# KiCad board 5x25.kicad_pcb (continued)
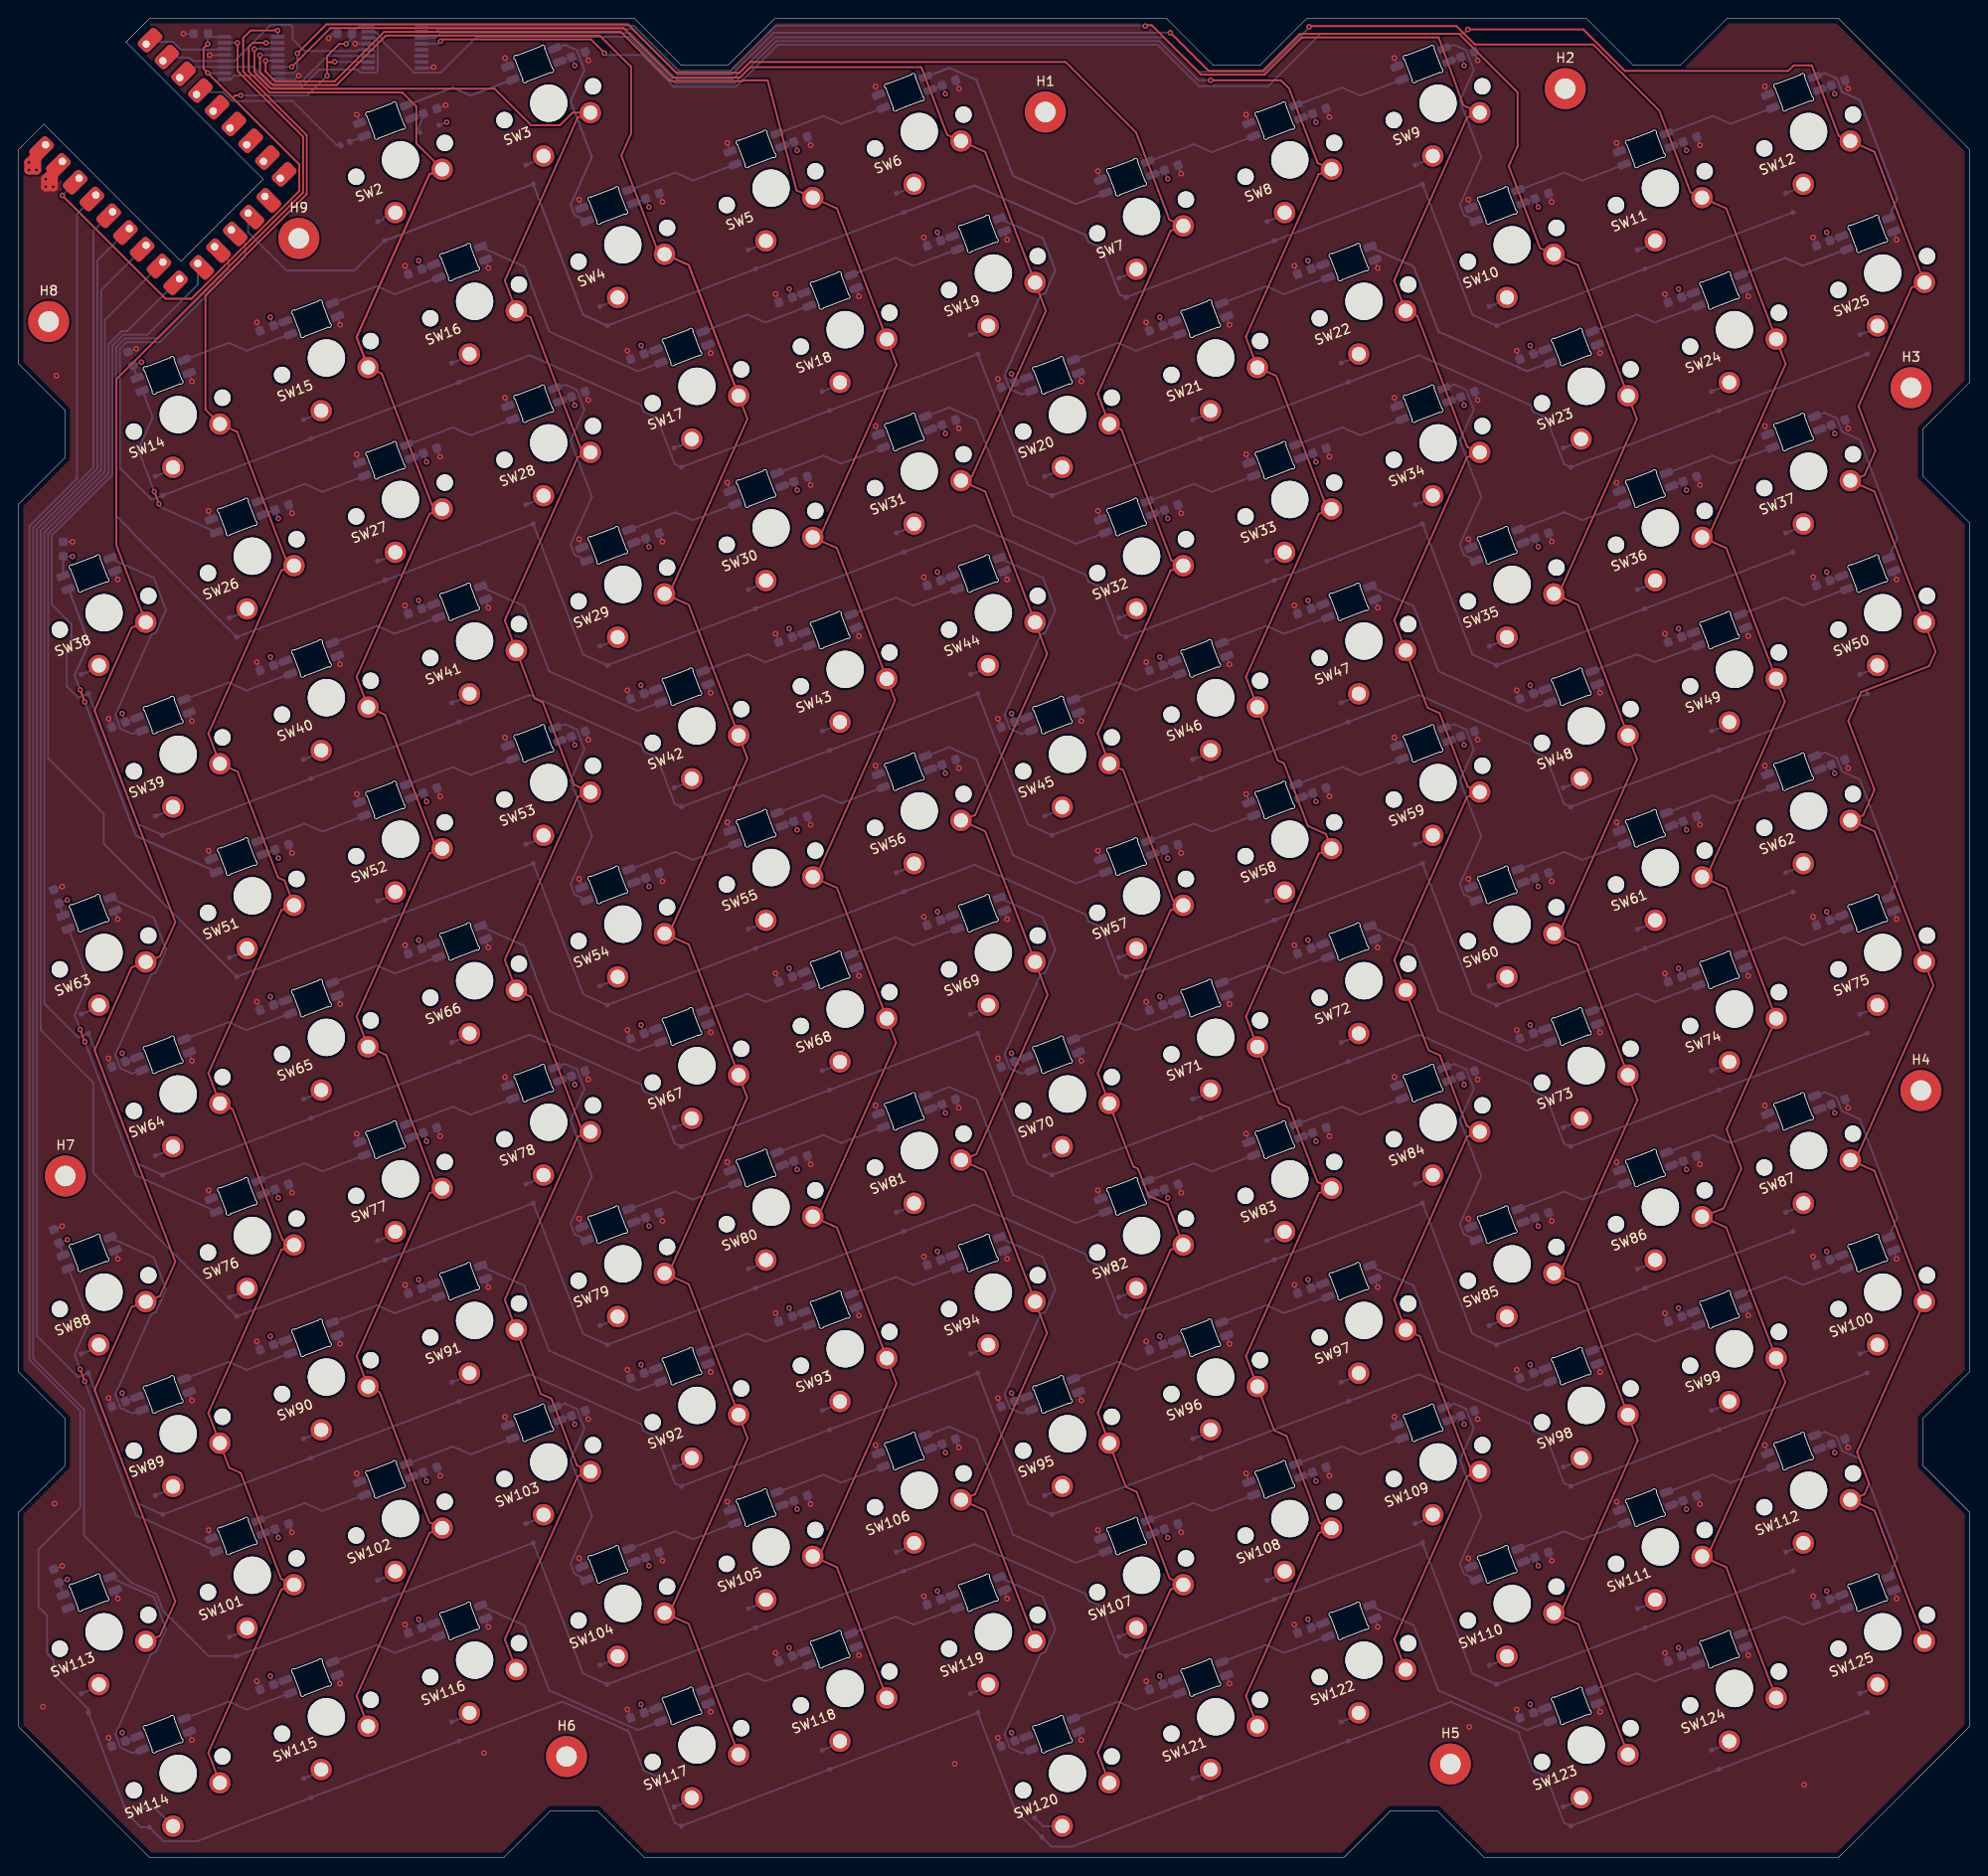
[diagram p0: board, top side]
## Placement (name value [footprint] x y rotation side) (continued)
LED63  -  [SK6803-MINI-E]  7.54 101.16 200.9 bottom
LED64  -  [SK6803-MINI-E]  15.48 85.99 200.9 bottom
LED65  -  [SK6803-MINI-E]  31.37 92.06 200.9 bottom
LED66  -  [SK6803-MINI-E]  47.25 98.12 200.9 bottom
LED67  -  [SK6803-MINI-E]  71.07 89.02 200.9 bottom
LED68  -  [SK6803-MINI-E]  86.95 95.09 200.9 bottom
LED69  -  [SK6803-MINI-E]  102.83 101.16 200.9 bottom
LED70  -  [SK6803-MINI-E]  110.77 85.99 200.9 bottom
LED71  -  [SK6803-MINI-E]  126.65 92.06 200.9 bottom
LED72  -  [SK6803-MINI-E]  142.53 98.12 200.9 bottom
LED73  -  [SK6803-MINI-E]  166.35 89.02 200.9 bottom
LED74  -  [SK6803-MINI-E]  182.23 95.09 200.9 bottom
LED75  -  [SK6803-MINI-E]  198.12 101.16 200.9 bottom
LED76  -  [SK6803-MINI-E]  23.42 70.83 20.9 bottom
LED77  -  [SK6803-MINI-E]  39.31 76.89 20.9 bottom
LED78  -  [SK6803-MINI-E]  55.19 82.96 20.9 bottom
LED79  -  [SK6803-MINI-E]  63.13 67.79 20.9 bottom
LED80  -  [SK6803-MINI-E]  79.01 73.86 20.9 bottom
LED81  -  [SK6803-MINI-E]  94.89 79.92 20.9 bottom
LED82  -  [SK6803-MINI-E]  118.71 70.83 20.9 bottom
LED83  -  [SK6803-MINI-E]  134.59 76.89 20.9 bottom
LED84  -  [SK6803-MINI-E]  150.47 82.96 20.9 bottom
LED85  -  [SK6803-MINI-E]  158.41 67.79 20.9 bottom
LED86  -  [SK6803-MINI-E]  174.29 73.86 20.9 bottom
LED87  -  [SK6803-MINI-E]  190.17 79.92 20.9 bottom
LED88  -  [SK6803-MINI-E]  7.54 64.76 200.9 bottom
LED89  -  [SK6803-MINI-E]  15.48 49.6 200.9 bottom
LED90  -  [SK6803-MINI-E]  31.37 55.66 200.9 bottom
LED91  -  [SK6803-MINI-E]  47.25 61.73 200.9 bottom
LED92  -  [SK6803-MINI-E]  71.07 52.63 200.9 bottom
LED93  -  [SK6803-MINI-E]  86.95 58.69 200.9 bottom
LED94  -  [SK6803-MINI-E]  102.83 64.76 200.9 bottom
LED95  -  [SK6803-MINI-E]  110.77 49.6 200.9 bottom
LED96  -  [SK6803-MINI-E]  126.65 55.66 200.9 bottom
LED97  -  [SK6803-MINI-E]  142.53 61.73 200.9 bottom
LED98  -  [SK6803-MINI-E]  166.35 52.63 200.9 bottom
LED99  -  [SK6803-MINI-E]  182.23 58.69 200.9 bottom
LED100  -  [SK6803-MINI-E]  198.12 64.76 200.9 bottom
LED101  -  [SK6803-MINI-E]  23.42 34.43 20.9 bottom
LED102  -  [SK6803-MINI-E]  39.31 40.5 20.9 bottom
LED103  -  [SK6803-MINI-E]  55.19 46.56 20.9 bottom
LED104  -  [SK6803-MINI-E]  63.13 31.4 20.9 bottom
LED105  -  [SK6803-MINI-E]  79.01 37.46 20.9 bottom
LED106  -  [SK6803-MINI-E]  94.89 43.53 20.9 bottom
LED107  -  [SK6803-MINI-E]  118.71 34.43 20.9 bottom
LED108  -  [SK6803-MINI-E]  134.59 40.5 20.9 bottom
LED109  -  [SK6803-MINI-E]  150.47 46.56 20.9 bottom
LED110  -  [SK6803-MINI-E]  158.41 31.4 20.9 bottom
LED111  -  [SK6803-MINI-E]  174.29 37.46 20.9 bottom
LED112  -  [SK6803-MINI-E]  190.17 43.53 20.9 bottom
LED113  -  [SK6803-MINI-E]  7.54 28.36 200.9 bottom
LED114  -  [SK6803-MINI-E]  15.48 13.2 200.9 bottom
LED115  -  [SK6803-MINI-E]  31.37 19.27 200.9 bottom
LED116  -  [SK6803-MINI-E]  47.25 25.33 200.9 bottom
LED117  -  [SK6803-MINI-E]  71.07 16.23 200.9 bottom
LED118  -  [SK6803-MINI-E]  86.95 22.3 200.9 bottom
LED119  -  [SK6803-MINI-E]  102.83 28.36 200.9 bottom
LED120  -  [SK6803-MINI-E]  110.77 13.2 200.9 bottom
LED121  -  [SK6803-MINI-E]  126.65 19.27 200.9 bottom
LED122  -  [SK6803-MINI-E]  142.53 25.33 200.9 bottom
LED123  -  [SK6803-MINI-E]  166.35 16.23 200.9 bottom
LED124  -  [SK6803-MINI-E]  182.23 22.3 200.9 bottom
LED125  -  [SK6803-MINI-E]  198.12 28.36 200.9 bottom
R1  220R  [R_0402_1005Metric]  34.97 183.62 20.9 bottom
RZ1  -  [RP2040-Zero]  17.25 165.54 45 top
SW2  MX_Switch  [SW_MX_17]  40.91 181.88 200.9 top  (not fitted)
SW3  MX_Switch  [SW_MX_17]  56.79 187.94 200.9 top  (not fitted)
SW4  MX_Switch  [SW_MX_17]  64.73 172.78 200.9 top  (not fitted)
SW5  MX_Switch  [SW_MX_17]  80.61 178.84 200.9 top  (not fitted)
SW6  MX_Switch  [SW_MX_17]  96.49 184.91 200.9 top  (not fitted)
SW7  MX_Switch  [SW_MX_17]  120.32 175.81 200.9 top  (not fitted)
SW8  MX_Switch  [SW_MX_17]  136.2 181.88 200.9 top  (not fitted)
SW9  MX_Switch  [SW_MX_17]  152.08 187.94 200.9 top  (not fitted)
SW10  MX_Switch  [SW_MX_17]  160.02 172.78 200.9 top  (not fitted)
SW11  MX_Switch  [SW_MX_17]  175.9 178.84 200.9 top  (not fitted)
SW12  MX_Switch  [SW_MX_17]  191.78 184.91 200.9 top  (not fitted)
SW14  MX_Switch  [SW_MX_17]  17.09 154.58 200.9 top  (not fitted)
SW15  MX_Switch  [SW_MX_17]  32.97 160.64 200.9 top  (not fitted)
SW16  MX_Switch  [SW_MX_17]  48.85 166.71 200.9 top  (not fitted)
SW17  MX_Switch  [SW_MX_17]  72.67 157.61 200.9 top  (not fitted)
SW18  MX_Switch  [SW_MX_17]  88.55 163.68 200.9 top  (not fitted)
SW19  MX_Switch  [SW_MX_17]  104.44 169.74 200.9 top  (not fitted)
SW20  MX_Switch  [SW_MX_17]  112.38 154.58 200.9 top  (not fitted)
SW21  MX_Switch  [SW_MX_17]  128.26 160.64 200.9 top  (not fitted)
SW22  MX_Switch  [SW_MX_17]  144.14 166.71 200.9 top  (not fitted)
SW23  MX_Switch  [SW_MX_17]  167.96 157.61 200.9 top  (not fitted)
SW24  MX_Switch  [SW_MX_17]  183.84 163.68 200.9 top  (not fitted)
SW25  MX_Switch  [SW_MX_17]  199.72 169.74 200.9 top  (not fitted)
SW26  MX_Switch  [SW_MX_17]  25.03 139.41 200.9 top  (not fitted)
SW27  MX_Switch  [SW_MX_17]  40.91 145.48 200.9 top  (not fitted)
SW28  MX_Switch  [SW_MX_17]  56.79 151.55 200.9 top  (not fitted)
SW29  MX_Switch  [SW_MX_17]  64.73 136.38 200.9 top  (not fitted)
SW30  MX_Switch  [SW_MX_17]  80.61 142.45 200.9 top  (not fitted)
SW31  MX_Switch  [SW_MX_17]  96.49 148.51 200.9 top  (not fitted)
SW32  MX_Switch  [SW_MX_17]  120.32 139.41 200.9 top  (not fitted)
SW33  MX_Switch  [SW_MX_17]  136.2 145.48 200.9 top  (not fitted)
SW34  MX_Switch  [SW_MX_17]  152.08 151.55 200.9 top  (not fitted)
SW35  MX_Switch  [SW_MX_17]  160.02 136.38 200.9 top  (not fitted)
SW36  MX_Switch  [SW_MX_17]  175.9 142.45 200.9 top  (not fitted)
SW37  MX_Switch  [SW_MX_17]  191.78 148.51 200.9 top  (not fitted)
SW38  MX_Switch  [SW_MX_17]  9.15 133.35 200.9 top  (not fitted)
SW39  MX_Switch  [SW_MX_17]  17.09 118.18 200.9 top  (not fitted)
SW40  MX_Switch  [SW_MX_17]  32.97 124.25 200.9 top  (not fitted)
SW41  MX_Switch  [SW_MX_17]  48.85 130.31 200.9 top  (not fitted)
SW42  MX_Switch  [SW_MX_17]  72.67 121.22 200.9 top  (not fitted)
SW43  MX_Switch  [SW_MX_17]  88.55 127.28 200.9 top  (not fitted)
SW44  MX_Switch  [SW_MX_17]  104.44 133.35 200.9 top  (not fitted)
SW45  MX_Switch  [SW_MX_17]  112.38 118.18 200.9 top  (not fitted)
SW46  MX_Switch  [SW_MX_17]  128.26 124.25 200.9 top  (not fitted)
SW47  MX_Switch  [SW_MX_17]  144.14 130.31 200.9 top  (not fitted)
SW48  MX_Switch  [SW_MX_17]  167.96 121.22 200.9 top  (not fitted)
SW49  MX_Switch  [SW_MX_17]  183.84 127.28 200.9 top  (not fitted)
SW50  MX_Switch  [SW_MX_17]  199.72 133.35 200.9 top  (not fitted)
SW51  MX_Switch  [SW_MX_17]  25.03 103.02 200.9 top  (not fitted)
SW52  MX_Switch  [SW_MX_17]  40.91 109.08 200.9 top  (not fitted)
SW53  MX_Switch  [SW_MX_17]  56.79 115.15 200.9 top  (not fitted)
SW54  MX_Switch  [SW_MX_17]  64.73 99.99 200.9 top  (not fitted)
SW55  MX_Switch  [SW_MX_17]  80.61 106.05 200.9 top  (not fitted)
SW56  MX_Switch  [SW_MX_17]  96.49 112.12 200.9 top  (not fitted)
SW57  MX_Switch  [SW_MX_17]  120.32 103.02 200.9 top  (not fitted)
SW58  MX_Switch  [SW_MX_17]  136.2 109.08 200.9 top  (not fitted)
SW59  MX_Switch  [SW_MX_17]  152.08 115.15 200.9 top  (not fitted)
SW60  MX_Switch  [SW_MX_17]  160.02 99.99 200.9 top  (not fitted)
SW61  MX_Switch  [SW_MX_17]  175.9 106.05 200.9 top  (not fitted)
SW62  MX_Switch  [SW_MX_17]  191.78 112.12 200.9 top  (not fitted)
SW63  MX_Switch  [SW_MX_17]  9.15 96.95 200.9 top  (not fitted)
SW64  MX_Switch  [SW_MX_17]  17.09 81.79 200.9 top  (not fitted)
SW65  MX_Switch  [SW_MX_17]  32.97 87.85 200.9 top  (not fitted)
SW66  MX_Switch  [SW_MX_17]  48.85 93.92 200.9 top  (not fitted)
SW67  MX_Switch  [SW_MX_17]  72.67 84.82 200.9 top  (not fitted)
SW68  MX_Switch  [SW_MX_17]  88.55 90.89 200.9 top  (not fitted)
SW69  MX_Switch  [SW_MX_17]  104.44 96.95 200.9 top  (not fitted)
SW70  MX_Switch  [SW_MX_17]  112.38 81.79 200.9 top  (not fitted)
SW71  MX_Switch  [SW_MX_17]  128.26 87.85 200.9 top  (not fitted)
SW72  MX_Switch  [SW_MX_17]  144.14 93.92 200.9 top  (not fitted)
SW73  MX_Switch  [SW_MX_17]  167.96 84.82 200.9 top  (not fitted)
SW74  MX_Switch  [SW_MX_17]  183.84 90.89 200.9 top  (not fitted)
SW75  MX_Switch  [SW_MX_17]  199.72 96.95 200.9 top  (not fitted)
SW76  MX_Switch  [SW_MX_17]  25.03 66.62 200.9 top  (not fitted)
SW77  MX_Switch  [SW_MX_17]  40.91 72.69 200.9 top  (not fitted)
SW78  MX_Switch  [SW_MX_17]  56.79 78.75 200.9 top  (not fitted)
SW79  MX_Switch  [SW_MX_17]  64.73 63.59 200.9 top  (not fitted)
SW80  MX_Switch  [SW_MX_17]  80.61 69.66 200.9 top  (not fitted)
SW81  MX_Switch  [SW_MX_17]  96.49 75.72 200.9 top  (not fitted)
SW82  MX_Switch  [SW_MX_17]  120.32 66.62 200.9 top  (not fitted)
SW83  MX_Switch  [SW_MX_17]  136.2 72.69 200.9 top  (not fitted)
SW84  MX_Switch  [SW_MX_17]  152.08 78.75 200.9 top  (not fitted)
SW85  MX_Switch  [SW_MX_17]  160.02 63.59 200.9 top  (not fitted)
SW86  MX_Switch  [SW_MX_17]  175.9 69.66 200.9 top  (not fitted)
SW87  MX_Switch  [SW_MX_17]  191.78 75.72 200.9 top  (not fitted)
SW88  MX_Switch  [SW_MX_17]  9.15 60.56 200.9 top  (not fitted)
SW89  MX_Switch  [SW_MX_17]  17.09 45.39 200.9 top  (not fitted)
SW90  MX_Switch  [SW_MX_17]  32.97 51.46 200.9 top  (not fitted)
SW91  MX_Switch  [SW_MX_17]  48.85 57.52 200.9 top  (not fitted)
SW92  MX_Switch  [SW_MX_17]  72.67 48.42 200.9 top  (not fitted)
SW93  MX_Switch  [SW_MX_17]  88.55 54.49 200.9 top  (not fitted)
SW94  MX_Switch  [SW_MX_17]  104.44 60.56 200.9 top  (not fitted)
SW95  MX_Switch  [SW_MX_17]  112.38 45.39 200.9 top  (not fitted)
SW96  MX_Switch  [SW_MX_17]  128.26 51.46 200.9 top  (not fitted)
SW97  MX_Switch  [SW_MX_17]  144.14 57.52 200.9 top  (not fitted)
SW98  MX_Switch  [SW_MX_17]  167.96 48.42 200.9 top  (not fitted)
SW99  MX_Switch  [SW_MX_17]  183.84 54.49 200.9 top  (not fitted)
SW100  MX_Switch  [SW_MX_17]  199.72 60.56 200.9 top  (not fitted)
SW101  MX_Switch  [SW_MX_17]  25.03 30.23 200.9 top  (not fitted)
SW102  MX_Switch  [SW_MX_17]  40.91 36.29 200.9 top  (not fitted)
SW103  MX_Switch  [SW_MX_17]  56.79 42.36 200.9 top  (not fitted)
SW104  MX_Switch  [SW_MX_17]  64.73 27.19 200.9 top  (not fitted)
SW105  MX_Switch  [SW_MX_17]  80.61 33.26 200.9 top  (not fitted)
SW106  MX_Switch  [SW_MX_17]  96.49 39.33 200.9 top  (not fitted)
SW107  MX_Switch  [SW_MX_17]  120.32 30.23 200.9 top  (not fitted)
SW108  MX_Switch  [SW_MX_17]  136.2 36.29 200.9 top  (not fitted)
SW109  MX_Switch  [SW_MX_17]  152.08 42.36 200.9 top  (not fitted)
SW110  MX_Switch  [SW_MX_17]  160.02 27.19 200.9 top  (not fitted)
SW111  MX_Switch  [SW_MX_17]  175.9 33.26 200.9 top  (not fitted)
SW112  MX_Switch  [SW_MX_17]  191.78 39.33 200.9 top  (not fitted)
SW113  MX_Switch  [SW_MX_17]  9.15 24.16 200.9 top  (not fitted)
SW114  MX_Switch  [SW_MX_17]  17.09 9 200.9 top  (not fitted)
SW115  MX_Switch  [SW_MX_17]  32.97 15.06 200.9 top  (not fitted)
SW116  MX_Switch  [SW_MX_17]  48.85 21.13 200.9 top  (not fitted)
SW117  MX_Switch  [SW_MX_17]  72.67 12.03 200.9 top  (not fitted)
SW118  MX_Switch  [SW_MX_17]  88.55 18.09 200.9 top  (not fitted)
SW119  MX_Switch  [SW_MX_17]  104.44 24.16 200.9 top  (not fitted)
SW120  MX_Switch  [SW_MX_17]  112.38 9 200.9 top  (not fitted)
SW121  MX_Switch  [SW_MX_17]  128.26 15.06 200.9 top  (not fitted)
SW122  MX_Switch  [SW_MX_17]  144.14 21.13 200.9 top  (not fitted)
SW123  MX_Switch  [SW_MX_17]  167.96 12.03 200.9 top  (not fitted)
SW124  MX_Switch  [SW_MX_17]  183.84 18.09 200.9 top  (not fitted)
SW125  MX_Switch  [SW_MX_17]  199.72 24.16 200.9 top  (not fitted)
U1  74HC595  [TSSOP-16]  24.9 192.79 180 bottom
U2  74HC595  [TSSOP-16]  40.3 193.99 180 bottom

## Library data of the parts
C2-C12 C14-C125 C900 C901 = -: Description: Unpolarized capacitor, small; LSC: C14663; ki_fp_filters: C_*
D2-D12 D14-D125 D900 = -: Description: Small diode; Sim.Device: D; Sim.Pins: 1=K 2=A; ki_fp_filters: TO-???* *_Diode_* *SingleDiode* D_*
H1-H9 = -: Description: Mounting Hole without connection; ki_fp_filters: MountingHole*
LED2-LED12 LED14-LED125 = -: Description: Reverse mount adressable LED (WS2812 protocol)
R1 = -: Description: Resistor; LSCS: C25091; ki_fp_filters: R_*
SW2-SW12 SW14-SW125 = -: Description: Push button switch, generic, two pins
U1 U2 = -: Datasheet: http://www.ti.com/lit/ds/symlink/sn74hc595.pdf; Description: 8-bit serial in/out Shift Register 3-State Outputs; ki_fp_filters: DIP*W7.62mm* SOIC*3.9x9.9mm*P1.27mm* TSSOP*4.4x5mm*P0.65mm* SOIC*5.3x10.2mm*P1.27mm* SOIC*7.5x10.3mm*P1.27mm*

## Footprints (pads in the part's own frame, mm; a bottom-side part is the same pattern mirrored in y, then rotated)
C_0603_1608Metric
  rrect 0.9x0.95 smd: 1(-0.775,0) 2(0.775,0)
D_SOD-323F
  rrect 0.5x0.5 smd: 1(-1.1,0) 2(1.1,0)
MountingHole_2.2mm_M2_Pad
  round 4.4 hole 2.2: 1(0,0)
R_0402_1005Metric
  rrect 0.54x0.64 smd: 1(-0.51,0) 2(0.51,0)
RP2040-Zero
  rrect 2.6x1.6 hole 0.8: 1(17.78,22.86) 2(17.78,20.32) 3(17.78,17.78) 4(17.78,15.24) 5(17.78,12.7) 6(17.78,10.16) 7(17.78,7.62) 8(17.78,5.08) 9(17.78,2.54) 15(2.54,2.54) 16(2.54,5.08) 17(2.54,7.62) 18(2.54,10.16) 19(2.54,12.7) 20(2.54,15.24) 21(2.54,17.78) 22(2.54,20.32) 23(2.54,22.86)
  rrect 1.6x2.6 hole 0.8: 10(15.24,2.33)
  rrect 1.575x2.6 hole 0.8: 11(12.7,2.33) 12(10.16,2.33) 13(7.62,2.33) 14(5.08,2.33)
SK6803-MINI-E
  rrect 1.4x0.82 smd: 1(2.7,0.75) 2(2.7,-0.75) 3(-2.7,0.75) 4(-2.7,-0.75)
SW_MX_17
  round 1.75 hole 1.75 unplated: (-5.08,0) (5.08,0)
  round 3.988 hole 3.988 unplated: (0,0)
  round 2.3 hole 1.524: 1(-3.81,2.54) 2(2.54,5.08)
TSSOP-16
  rrect 1.475x0.4 smd: 1(-2.862,2.275) 2(-2.862,1.625) 3(-2.862,0.975) 4(-2.862,0.325) 5(-2.862,-0.325) 6(-2.862,-0.975) 7(-2.862,-1.625) 8(-2.862,-2.275) 9(2.862,-2.275) 10(2.862,-1.625) 11(2.862,-0.975) 12(2.862,-0.325) 13(2.862,0.325) 14(2.862,0.975) 15(2.862,1.625) 16(2.862,2.275)

## Nets
3V3: C900.2 C901.2 RZ1.21 U1.10 U1.16 U2.10 U2.16
5V: C3.2 C4.2 C5.2 C6.2 C7.2 C8.2 C9.2 C10.2 C11.2 C12.2 C14.2 C15.2 C16.2 C17.2 C18.2 C19.2 C20.2 C21.2 C22.2 C23.2 C24.2 C25.2 C26.2 C27.2 C28.2 C29.2 C30.2 C31.2 C32.2 C33.2 C34.2 C35.2 C36.2 C37.2 C38.2 C39.2 C40.2 C41.2 C42.2 C43.2 C44.2 C45.2 C46.2 C47.2 C48.2 C49.2 C50.2 C51.2 C52.2 C53.2 C54.2 C55.2 C56.2 C57.2 C58.2 C59.2 C60.2 C61.2 C62.2 C63.2 C64.2 C65.2 C66.2 C67.2 C68.2 C69.2 C70.2 C71.2 C72.2 C73.2 C74.2 C75.2 C76.2 C77.2 C78.2 C79.2 C80.2 C81.2 C82.2 C83.2 C84.2 C85.2 C86.2 C87.2 C88.2 C89.2 C90.2 C91.2 C92.2 C93.2 C94.2 C95.2 C96.2 C97.2 C98.2 C99.2 C100.2 C101.2 C102.2 C103.2 C104.2 C105.2 C106.2 C107.2 C108.2 C109.2 C110.2 C111.2 C112.2 C113.2 C114.2 C115.2 C116.2 C117.2 C118.2 C119.2 C120.2 C121.2 C122.2 C123.2 C124.2 C125.2 D900.2 LED3.1 LED4.1 LED5.1 LED6.1 LED7.1 LED8.1 LED9.1 LED10.1 LED11.1 LED12.1 LED14.1 LED15.1 LED16.1 LED17.1 LED18.1 LED19.1 LED20.1 LED21.1 LED22.1 LED23.1 LED24.1 LED25.1 LED26.1 LED27.1 LED28.1 LED29.1 LED30.1 LED31.1 LED32.1 LED33.1 LED34.1 LED35.1 LED36.1 LED37.1 LED38.1 LED39.1 LED40.1 LED41.1 LED42.1 LED43.1 LED44.1 LED45.1 LED46.1 LED47.1 LED48.1 LED49.1 LED50.1 LED51.1 LED52.1 LED53.1 LED54.1 LED55.1 LED56.1 LED57.1 LED58.1 LED59.1 LED60.1 LED61.1 LED62.1 LED63.1 LED64.1 LED65.1 LED66.1 LED67.1 LED68.1 LED69.1 LED70.1 LED71.1 LED72.1 LED73.1 LED74.1 LED75.1 LED76.1 LED77.1 LED78.1 LED79.1 LED80.1 LED81.1 LED82.1 LED83.1 LED84.1 LED85.1 LED86.1 LED87.1 LED88.1 LED89.1 LED90.1 LED91.1 LED92.1 LED93.1 LED94.1 LED95.1 LED96.1 LED97.1 LED98.1 LED99.1 LED100.1 LED101.1 LED102.1 LED103.1 LED104.1 LED105.1 LED106.1 LED107.1 LED108.1 LED109.1 LED110.1 LED111.1 LED112.1 LED113.1 LED114.1 LED115.1 LED116.1 LED117.1 LED118.1 LED119.1 LED120.1 LED121.1 LED122.1 LED123.1 LED124.1 LED125.1 RZ1.23
GND: C2.2 C3.1 C4.1 C5.1 C6.1 C7.1 C8.1 C9.1 C10.1 C11.1 C12.1 C14.1 C15.1 C16.1 C17.1 C18.1 C19.1 C20.1 C21.1 C22.1 C23.1 C24.1 C25.1 C26.1 C27.1 C28.1 C29.1 C30.1 C31.1 C32.1 C33.1 C34.1 C35.1 C36.1 C37.1 C38.1 C39.1 C40.1 C41.1 C42.1 C43.1 C44.1 C45.1 C46.1 C47.1 C48.1 C49.1 C50.1 C51.1 C52.1 C53.1 C54.1 C55.1 C56.1 C57.1 C58.1 C59.1 C60.1 C61.1 C62.1 C63.1 C64.1 C65.1 C66.1 C67.1 C68.1 C69.1 C70.1 C71.1 C72.1 C73.1 C74.1 C75.1 C76.1 C77.1 C78.1 C79.1 C80.1 C81.1 C82.1 C83.1 C84.1 C85.1 C86.1 C87.1 C88.1 C89.1 C90.1 C91.1 C92.1 C93.1 C94.1 C95.1 C96.1 C97.1 C98.1 C99.1 C100.1 C101.1 C102.1 C103.1 C104.1 C105.1 C106.1 C107.1 C108.1 C109.1 C110.1 C111.1 C112.1 C113.1 C114.1 C115.1 C116.1 C117.1 C118.1 C119.1 C120.1 C121.1 C122.1 C123.1 C124.1 C125.1 C900.1 C901.1 LED2.4 LED3.4 LED4.4 LED5.4 LED6.4 LED7.4 LED8.4 LED9.4 LED10.4 LED11.4 LED12.4 LED14.4 LED15.4 LED16.4 LED17.4 LED18.4 LED19.4 LED20.4 LED21.4 LED22.4 LED23.4 LED24.4 LED25.4 LED26.4 LED27.4 LED28.4 LED29.4 LED30.4 LED31.4 LED32.4 LED33.4 LED34.4 LED35.4 LED36.4 LED37.4 LED38.4 LED39.4 LED40.4 LED41.4 LED42.4 LED43.4 LED44.4 LED45.4 LED46.4 LED47.4 LED48.4 LED49.4 LED50.4 LED51.4 LED52.4 LED53.4 LED54.4 LED55.4 LED56.4 LED57.4 LED58.4 LED59.4 LED60.4 LED61.4 LED62.4 LED63.4 LED64.4 LED65.4 LED66.4 LED67.4 LED68.4 LED69.4 LED70.4 LED71.4 LED72.4 LED73.4 LED74.4 LED75.4 LED76.4 LED77.4 LED78.4 LED79.4 LED80.4 LED81.4 LED82.4 LED83.4 LED84.4 LED85.4 LED86.4 LED87.4 LED88.4 LED89.4 LED90.4 LED91.4 LED92.4 LED93.4 LED94.4 LED95.4 LED96.4 LED97.4 LED98.4 LED99.4 LED100.4 LED101.4 LED102.4 LED103.4 LED104.4 LED105.4 LED106.4 LED107.4 LED108.4 LED109.4 LED110.4 LED111.4 LED112.4 LED113.4 LED114.4 LED115.4 LED116.4 LED117.4 LED118.4 LED119.4 LED120.4 LED121.4 LED122.4 LED123.4 LED124.4 LED125.4 RZ1.22 U1.8 U1.13 U2.8 U2.13
CLOCK: RZ1.3 U1.11 U2.11
Col 0: SW38.1 SW63.1 SW88.1 SW113.1 U1.15
Col 1: SW14.1 SW26.1 SW39.1 SW51.1 SW64.1 SW76.1 SW89.1 SW101.1 SW114.1 U1.1
Col 2: SW2.1 SW15.1 SW27.1 SW40.1 SW52.1 SW65.1 SW77.1 SW90.1 SW102.1 SW115.1 U1.2
Col 3: SW3.1 SW16.1 SW28.1 SW41.1 SW53.1 SW66.1 SW78.1 SW91.1 SW103.1 SW116.1 U1.3
Col 4: SW4.1 SW17.1 SW29.1 SW42.1 SW54.1 SW67.1 SW79.1 SW92.1 SW104.1 SW117.1 U1.4
Col 5: SW5.1 SW18.1 SW30.1 SW43.1 SW55.1 SW68.1 SW80.1 SW93.1 SW105.1 SW118.1 U1.5
Col 6: SW6.1 SW19.1 SW31.1 SW44.1 SW56.1 SW69.1 SW81.1 SW94.1 SW106.1 SW119.1 U1.6
Col 7: SW7.1 SW20.1 SW32.1 SW45.1 SW57.1 SW70.1 SW82.1 SW95.1 SW107.1 SW120.1 U1.7
Col 8: SW8.1 SW21.1 SW33.1 SW46.1 SW58.1 SW71.1 SW83.1 SW96.1 SW108.1 SW121.1 U2.15
Col 9: SW9.1 SW22.1 SW34.1 SW47.1 SW59.1 SW72.1 SW84.1 SW97.1 SW109.1 SW122.1 U2.1
Col 10: SW10.1 SW23.1 SW35.1 SW48.1 SW60.1 SW73.1 SW85.1 SW98.1 SW110.1 SW123.1 U2.2
Col 11: SW11.1 SW24.1 SW36.1 SW49.1 SW61.1 SW74.1 SW86.1 SW99.1 SW111.1 SW124.1 U2.3
Col 12: SW12.1 SW25.1 SW37.1 SW50.1 SW62.1 SW75.1 SW87.1 SW100.1 SW112.1 SW125.1 U2.4
DATA: RZ1.1 U1.14
LATCH: RZ1.2 U1.12 U2.12
LED: R1.1 RZ1.4
Row 0: D2.1 D3.1 D4.1 D5.1 D6.1 D7.1 D8.1 D9.1 D10.1 D11.1 D12.1 RZ1.11
Row 1: D14.1 D15.1 D16.1 D17.1 D18.1 D19.1 D20.1 D21.1 D22.1 D23.1 D24.1 D25.1 RZ1.12
Row 2: D26.1 D27.1 D28.1 D29.1 D30.1 D31.1 D32.1 D33.1 D34.1 D35.1 D36.1 D37.1 RZ1.13
Row 3: D38.1 D39.1 D40.1 D41.1 D42.1 D43.1 D44.1 D45.1 D46.1 D47.1 D48.1 D49.1 D50.1 RZ1.14
Row 4: D51.1 D52.1 D53.1 D54.1 D55.1 D56.1 D57.1 D58.1 D59.1 D60.1 D61.1 D62.1 RZ1.15
Row 5: D63.1 D64.1 D65.1 D66.1 D67.1 D68.1 D69.1 D70.1 D71.1 D72.1 D73.1 D74.1 D75.1 RZ1.16
Row 6: D76.1 D77.1 D78.1 D79.1 D80.1 D81.1 D82.1 D83.1 D84.1 D85.1 D86.1 D87.1 RZ1.17
Row 7: D88.1 D89.1 D90.1 D91.1 D92.1 D93.1 D94.1 D95.1 D96.1 D97.1 D98.1 D99.1 D100.1 RZ1.18
Row 8: D101.1 D102.1 D103.1 D104.1 D105.1 D106.1 D107.1 D108.1 D109.1 D110.1 D111.1 D112.1 RZ1.19
Row 9: D113.1 D114.1 D115.1 D116.1 D117.1 D118.1 D119.1 D120.1 D121.1 D122.1 D123.1 D124.1 D125.1 RZ1.20
Net-(D2-A): D2.2 SW2.2
Net-(D3-A): D3.2 SW3.2
Net-(D4-A): D4.2 SW4.2
Net-(D5-A): D5.2 SW5.2
Net-(D6-A): D6.2 SW6.2
Net-(D7-A): D7.2 SW7.2
Net-(D8-A): D8.2 SW8.2
Net-(D9-A): D9.2 SW9.2
Net-(D10-A): D10.2 SW10.2
Net-(D11-A): D11.2 SW11.2
Net-(D12-A): D12.2 SW12.2
Net-(D14-A): D14.2 SW14.2
Net-(D15-A): D15.2 SW15.2
Net-(D16-A): D16.2 SW16.2
Net-(D17-A): D17.2 SW17.2
Net-(D18-A): D18.2 SW18.2
Net-(D19-A): D19.2 SW19.2
Net-(D20-A): D20.2 SW20.2
Net-(D21-A): D21.2 SW21.2
Net-(D22-A): D22.2 SW22.2
Net-(D23-A): D23.2 SW23.2
Net-(D24-A): D24.2 SW24.2
Net-(D25-A): D25.2 SW25.2
Net-(D26-A): D26.2 SW26.2
Net-(D27-A): D27.2 SW27.2
Net-(D28-A): D28.2 SW28.2
Net-(D29-A): D29.2 SW29.2
Net-(D30-A): D30.2 SW30.2
Net-(D31-A): D31.2 SW31.2
Net-(D32-A): D32.2 SW32.2
Net-(D33-A): D33.2 SW33.2
Net-(D34-A): D34.2 SW34.2
Net-(D35-A): D35.2 SW35.2
Net-(D36-A): D36.2 SW36.2
Net-(D37-A): D37.2 SW37.2
Net-(D38-A): D38.2 SW38.2
Net-(D39-A): D39.2 SW39.2
Net-(D40-A): D40.2 SW40.2
Net-(D41-A): D41.2 SW41.2
Net-(D42-A): D42.2 SW42.2
Net-(D43-A): D43.2 SW43.2
Net-(D44-A): D44.2 SW44.2
Net-(D45-A): D45.2 SW45.2
Net-(D46-A): D46.2 SW46.2
Net-(D47-A): D47.2 SW47.2
Net-(D48-A): D48.2 SW48.2
Net-(D49-A): D49.2 SW49.2
Net-(D50-A): D50.2 SW50.2
Net-(D51-A): D51.2 SW51.2
Net-(D52-A): D52.2 SW52.2
Net-(D53-A): D53.2 SW53.2
Net-(D54-A): D54.2 SW54.2
Net-(D55-A): D55.2 SW55.2
Net-(D56-A): D56.2 SW56.2
Net-(D57-A): D57.2 SW57.2
Net-(D58-A): D58.2 SW58.2
Net-(D59-A): D59.2 SW59.2
Net-(D60-A): D60.2 SW60.2
Net-(D61-A): D61.2 SW61.2
Net-(D62-A): D62.2 SW62.2
Net-(D63-A): D63.2 SW63.2
Net-(D64-A): D64.2 SW64.2
Net-(D65-A): D65.2 SW65.2
Net-(D66-A): D66.2 SW66.2
Net-(D67-A): D67.2 SW67.2
Net-(D68-A): D68.2 SW68.2
Net-(D69-A): D69.2 SW69.2
Net-(D70-A): D70.2 SW70.2
Net-(D71-A): D71.2 SW71.2
Net-(D72-A): D72.2 SW72.2
Net-(D73-A): D73.2 SW73.2
Net-(D74-A): D74.2 SW74.2
Net-(D75-A): D75.2 SW75.2
Net-(D76-A): D76.2 SW76.2
Net-(D77-A): D77.2 SW77.2
Net-(D78-A): D78.2 SW78.2
Net-(D79-A): D79.2 SW79.2
Net-(D80-A): D80.2 SW80.2
Net-(D81-A): D81.2 SW81.2
Net-(D82-A): D82.2 SW82.2
Net-(D83-A): D83.2 SW83.2
Net-(D84-A): D84.2 SW84.2
Net-(D85-A): D85.2 SW85.2
Net-(D86-A): D86.2 SW86.2
Net-(D87-A): D87.2 SW87.2
Net-(D88-A): D88.2 SW88.2
Net-(D89-A): D89.2 SW89.2
Net-(D90-A): D90.2 SW90.2
Net-(D91-A): D91.2 SW91.2
Net-(D92-A): D92.2 SW92.2
Net-(D93-A): D93.2 SW93.2
Net-(D94-A): D94.2 SW94.2
Net-(D95-A): D95.2 SW95.2
Net-(D96-A): D96.2 SW96.2
Net-(D97-A): D97.2 SW97.2
Net-(D98-A): D98.2 SW98.2
Net-(D99-A): D99.2 SW99.2
Net-(D100-A): D100.2 SW100.2
Net-(D101-A): D101.2 SW101.2
Net-(D102-A): D102.2 SW102.2
Net-(D103-A): D103.2 SW103.2
Net-(D104-A): D104.2 SW104.2
Net-(D105-A): D105.2 SW105.2
Net-(D106-A): D106.2 SW106.2
Net-(D107-A): D107.2 SW107.2
Net-(D108-A): D108.2 SW108.2
Net-(D109-A): D109.2 SW109.2
Net-(D110-A): D110.2 SW110.2
Net-(D111-A): D111.2 SW111.2
Net-(D112-A): D112.2 SW112.2
Net-(D113-A): D113.2 SW113.2
Net-(D114-A): D114.2 SW114.2
Net-(D115-A): D115.2 SW115.2
Net-(D116-A): D116.2 SW116.2
Net-(D117-A): D117.2 SW117.2
Net-(D118-A): D118.2 SW118.2
Net-(D119-A): D119.2 SW119.2
Net-(D120-A): D120.2 SW120.2
Net-(D121-A): D121.2 SW121.2
Net-(D122-A): D122.2 SW122.2
Net-(D123-A): D123.2 SW123.2
Net-(D124-A): D124.2 SW124.2
Net-(D125-A): D125.2 SW125.2
Net-(D900-K): C2.1 D900.1 LED2.1
Net-(LED2-DIN): LED2.3 R1.2
Net-(LED2-DOUT): LED2.2 LED3.3
Net-(LED3-DOUT): LED3.2 LED4.3
Net-(LED4-DOUT): LED4.2 LED5.3
Net-(LED5-DOUT): LED5.2 LED6.3
Net-(LED6-DOUT): LED6.2 LED7.3
Net-(LED7-DOUT): LED7.2 LED8.3
Net-(LED8-DOUT): LED8.2 LED9.3
Net-(LED10-DIN): LED9.2 LED10.3
Net-(LED10-DOUT): LED10.2 LED11.3
Net-(LED11-DOUT): LED11.2 LED12.3
Net-(LED12-DOUT): LED12.2 LED25.3
Net-(LED14-DIN): LED14.3 LED15.2
Net-(LED14-DOUT): LED14.2 LED26.3
Net-(LED15-DIN): LED15.3 LED16.2
Net-(LED16-DIN): LED16.3 LED17.2
Net-(LED17-DIN): LED17.3 LED18.2
Net-(LED18-DIN): LED18.3 LED19.2
Net-(LED19-DIN): LED19.3 LED20.2
Net-(LED20-DIN): LED20.3 LED21.2
Net-(LED21-DIN): LED21.3 LED22.2
Net-(LED22-DIN): LED22.3 LED23.2
Net-(LED23-DIN): LED23.3 LED24.2
Net-(LED24-DIN): LED24.3 LED25.2
Net-(LED26-DOUT): LED26.2 LED27.3
Net-(LED27-DOUT): LED27.2 LED28.3
Net-(LED28-DOUT): LED28.2 LED29.3
Net-(LED29-DOUT): LED29.2 LED30.3
Net-(LED30-DOUT): LED30.2 LED31.3
Net-(LED31-DOUT): LED31.2 LED32.3
Net-(LED32-DOUT): LED32.2 LED33.3
Net-(LED33-DOUT): LED33.2 LED34.3
Net-(LED34-DOUT): LED34.2 LED35.3
Net-(LED35-DOUT): LED35.2 LED36.3
Net-(LED36-DOUT): LED36.2 LED37.3
Net-(LED37-DOUT): LED37.2 LED50.3
Net-(LED38-DIN): LED38.3 LED39.2
Net-(LED38-DOUT): LED38.2 LED51.3
Net-(LED39-DIN): LED39.3 LED40.2
Net-(LED40-DIN): LED40.3 LED41.2
Net-(LED41-DIN): LED41.3 LED42.2
Net-(LED42-DIN): LED42.3 LED43.2
Net-(LED43-DIN): LED43.3 LED44.2
Net-(LED44-DIN): LED44.3 LED45.2
Net-(LED45-DIN): LED45.3 LED46.2
Net-(LED46-DIN): LED46.3 LED47.2
Net-(LED47-DIN): LED47.3 LED48.2
Net-(LED48-DIN): LED48.3 LED49.2
Net-(LED49-DIN): LED49.3 LED50.2
Net-(LED51-DOUT): LED51.2 LED52.3
Net-(LED52-DOUT): LED52.2 LED53.3
Net-(LED53-DOUT): LED53.2 LED54.3
Net-(LED54-DOUT): LED54.2 LED55.3
Net-(LED55-DOUT): LED55.2 LED56.3
Net-(LED56-DOUT): LED56.2 LED57.3
Net-(LED57-DOUT): LED57.2 LED58.3
Net-(LED58-DOUT): LED58.2 LED59.3
Net-(LED59-DOUT): LED59.2 LED60.3
Net-(LED60-DOUT): LED60.2 LED61.3
Net-(LED61-DOUT): LED61.2 LED62.3
Net-(LED62-DOUT): LED62.2 LED75.3
Net-(LED63-DIN): LED63.3 LED64.2
Net-(LED63-DOUT): LED63.2 LED76.3
Net-(LED64-DIN): LED64.3 LED65.2
Net-(LED65-DIN): LED65.3 LED66.2
Net-(LED66-DIN): LED66.3 LED67.2
Net-(LED67-DIN): LED67.3 LED68.2
Net-(LED68-DIN): LED68.3 LED69.2
Net-(LED69-DIN): LED69.3 LED70.2
Net-(LED70-DIN): LED70.3 LED71.2
Net-(LED71-DIN): LED71.3 LED72.2
Net-(LED72-DIN): LED72.3 LED73.2
Net-(LED73-DIN): LED73.3 LED74.2
Net-(LED74-DIN): LED74.3 LED75.2
Net-(LED76-DOUT): LED76.2 LED77.3
Net-(LED77-DOUT): LED77.2 LED78.3
Net-(LED78-DOUT): LED78.2 LED79.3
Net-(LED79-DOUT): LED79.2 LED80.3
Net-(LED80-DOUT): LED80.2 LED81.3
Net-(LED81-DOUT): LED81.2 LED82.3
Net-(LED82-DOUT): LED82.2 LED83.3
Net-(LED83-DOUT): LED83.2 LED84.3
Net-(LED84-DOUT): LED84.2 LED85.3
Net-(LED85-DOUT): LED85.2 LED86.3
Net-(LED86-DOUT): LED86.2 LED87.3
Net-(LED88-DIN): LED88.3 LED89.2
Net-(LED89-DIN): LED89.3 LED90.2
Net-(LED90-DIN): LED90.3 LED91.2
Net-(LED91-DIN): LED91.3 LED92.2
Net-(LED92-DIN): LED92.3 LED93.2
Net-(LED93-DIN): LED93.3 LED94.2
Net-(LED94-DIN): LED94.3 LED95.2
Net-(LED95-DIN): LED95.3 LED96.2
Net-(LED96-DIN): LED96.3 LED97.2
Net-(LED97-DIN): LED97.3 LED98.2
Net-(LED98-DIN): LED98.3 LED99.2
Net-(LED100-DIN): LED87.2 LED100.3
Net-(LED100-DOUT): LED99.3 LED100.2
Net-(LED101-DIN): LED88.2 LED101.3
Net-(LED101-DOUT): LED101.2 LED102.3
Net-(LED102-DOUT): LED102.2 LED103.3
Net-(LED103-DOUT): LED103.2 LED104.3
Net-(LED104-DOUT): LED104.2 LED105.3
Net-(LED105-DOUT): LED105.2 LED106.3
Net-(LED106-DOUT): LED106.2 LED107.3
Net-(LED107-DOUT): LED107.2 LED108.3
Net-(LED108-DOUT): LED108.2 LED109.3
Net-(LED109-DOUT): LED109.2 LED110.3
Net-(LED110-DOUT): LED110.2 LED111.3
Net-(LED111-DOUT): LED111.2 LED112.3
Net-(LED112-DOUT): LED112.2 LED125.3
Net-(LED113-DIN): LED113.3 LED114.2
Net-(LED114-DIN): LED114.3 LED115.2
Net-(LED115-DIN): LED115.3 LED116.2
Net-(LED116-DIN): LED116.3 LED117.2
Net-(LED117-DIN): LED117.3 LED118.2
Net-(LED118-DIN): LED118.3 LED119.2
Net-(LED119-DIN): LED119.3 LED120.2
Net-(LED120-DIN): LED120.3 LED121.2
Net-(LED121-DIN): LED121.3 LED122.2
Net-(LED122-DIN): LED122.3 LED123.2
Net-(LED123-DIN): LED123.3 LED124.2
Net-(LED124-DIN): LED124.3 LED125.2
Net-(U1-QH'): U1.9 U2.14

Pads without a net: H1 1; H2 1; H3 1; H4 1; H5 1; H6 1; H7 1; H8 1; H9 1; LED113 2; RZ1 5 6 7 8 9 10; U2 5 6 7 9

## Via types
v1: diameter 0.6, hole 0.3, Top to Bottom, 418 vias

## Routing (per net, layer and track width the routed paths; a pad name or vN(x,y) marks a point on that pad's centre or on a via; arc(x,y) is an arc through that point)
3V3: length 86
  Top w0.2: 22.93,188.51 23.2,188.79 v1(23.8,188.79) ; 22.93,188.51 v1(20.25,191.19) 19.8,191.64 19.8,193.84 v1(20.25,194.29) ; 22.93,188.51 30.07,181.37 30.07,178.54 18.52,166.99 15.73,166.99 v1(4.66,178.06) ; 33.05,192.34 33.05,193 34.35,194.3 v1(35.1,194.3) ; 33.05,192.34 v1(33.05,190.89) ; 33.05,192.34 33.8,192.34 v1(33.85,192.39)
  Bottom w0.2: v1(23.8,188.79) 30.95,188.79 v1(33.05,190.89) ; v1(35.1,194.3) 35.69,194.89 C901.2 36.55,196.26 U2.16 ; v1(33.85,192.39) 33.88,192.36 U2.10 ; RZ1.21 6.47,179.87 v1(4.66,178.06) ; U1.10 20.28,191.16 v1(20.25,191.19) ; U1.16 20.6,195.06 C900.2 20.25,195.36 v1(20.25,194.29)
5V: length 295.6
  Top w1: RZ1.23 2.88,183.37 v1(1.1,181.6) v1(1.1,180.8) v1(1.9,180.8) 1.9,182.52 RZ1.23
  Bottom w0.2: 163.61,88.78 C73.2 161.96,89.17 ; 154.86,192 C9.2 153.22,192.39 ; 66.68,125.56 C42.2 68.32,125.17 ; 84.21,94.84 C68.2 82.56,95.23 ; 139.79,134.27 C47.2 138.14,134.66 ; 178.68,37.32 C111.2 177.04,37.71 ; 163.61,15.99 C123.2 161.96,16.38 ; 139.79,25.09 C122.2 138.14,25.47 ; 122.26,92.2 C71.2 123.91,91.81 ; 68.32,15.99 C117.2 66.68,16.38 ; 28.62,128.21 C40.2 26.98,128.6 ; 83.4,182.9 C5.2 81.75,183.29 ; 121.45,107.47 C57.2 123.1,107.08 ; 137.33,186.32 C8.2 138.98,185.94 ; 27.81,107.08 C51.2 26.17,107.47 ; 42.05,77.14 C77.2 43.7,76.75 ; 138.98,149.54 C33.2 137.33,149.93 ; 12.74,12.95 C114.2 11.09,13.34 ; 26.17,34.68 C101.2 27.81,34.29 ; 121.45,180.26 C7.2 123.1,179.87 ; 57.93,155.99 C28.2 59.58,155.61 ; 99.28,79.78 C81.2 97.63,80.17 ; 179.49,58.45 C99.2 177.84,58.84 ; 97.63,189.36 C6.2 99.28,188.97 ; 108.03,49.35 C95.2 106.38,49.74 ; 44.5,170.67 C16.2 42.86,171.06 ; 43.7,113.14 C52.2 42.05,113.53 ; 98.44,137.69 C44.2 100.09,137.31 ; 100.09,173.7 C19.2 98.44,174.09 ; 42.05,149.93 C27.2 43.7,149.54 ; 153.22,46.81 C109.2 154.86,46.42 ; 154.86,119.21 C59.2 153.22,119.6 ; 195.37,100.91 C75.2 193.73,101.3 ; 154.86,82.81 C84.2 153.22,83.2 ; 138.98,40.35 C108.2 137.33,40.74 ; 138.14,61.87 C97.2 139.79,61.48 ; 161.96,161.96 C23.2 163.61,161.57 ; 178.68,146.51 C36.2 177.04,146.9 ; 84.21,131.24 C43.2 82.56,131.63 ; 26.17,143.86 C26.2 27.81,143.47 ; 98.44,101.3 C69.2 100.09,100.91 ; 138.98,113.14 C58.2 137.33,113.53 ; 66.68,89.17 C67.2 68.32,88.78 ; 138.14,98.27 C72.2 139.79,97.88 ; 28.62,91.81 C65.2 26.98,92.2 ; 68.32,52.38 C92.2 66.68,52.77 ; 122.26,55.8 C96.2 123.91,55.42 ; 177.84,95.23 C74.2 179.49,94.84 ; 161.96,52.77 C98.2 163.61,52.38 ; 162.8,67.65 C85.2 161.16,68.04 ; 106.38,13.34 C120.2 108.03,12.95 ; 59.58,82.81 C78.2 57.93,83.2 ; 4.8,137.31 4.76,137.35 C38.2 ; 123.91,164.6 C21.2 122.26,164.99 ; 193.73,137.69 C50.2 195.37,137.31 ; 99.28,152.57 C31.2 97.63,152.96 ; 84.21,167.64 C18.2 82.56,168.02 ; 11.09,122.53 C39.2 12.74,122.14 ; 67.52,31.25 C104.2 65.87,31.64 ; 154.86,155.61 C34.2 153.22,155.99 ; 97.63,43.77 C106.2 99.28,43.39 ; 27.81,70.68 C76.2 26.17,71.07 ; 57.93,46.81 C103.2 59.58,46.42 ; 162.8,140.44 C35.2 161.16,140.83 ; 44.5,134.27 C41.2 42.86,134.66 ; 193.73,174.09 C25.2 195.37,173.7 ; 26.98,19.41 C115.2 28.62,19.02 ; 179.49,131.24 C49.2 177.84,131.63 ; 161.16,177.23 C10.2 162.8,176.84 ; 137.33,77.14 C83.2 138.98,76.75 ; 121.45,34.68 C107.2 123.1,34.29 ; 57.93,119.6 C53.2 59.58,119.21 ; 68.32,161.57 C17.2 66.68,161.96 ; 28.62,55.42 C90.2 26.98,55.8 ; 28.62,164.6 C15.2 26.98,164.99 ; 178.68,110.11 C61.2 177.04,110.5 ; 81.75,110.5 C55.2 83.4,110.11 ; 5.19,66.16 C88.2 4.8,64.52 ; 161.16,31.64 C110.2 162.8,31.25 ; 81.75,37.71 C105.2 83.4,37.32 ; 121.45,71.07 C82.2 123.1,70.68 ; 192.92,43.77 C112.2 194.56,43.39 ; 98.44,64.9 C94.2 100.09,64.52 ; 193.73,28.51 C125.2 195.37,28.12 ; 108.03,122.14 C45.2 106.38,122.53 ; 84.21,22.05 C118.2 82.56,22.44 ; 43.7,40.35 C102.2 42.05,40.74 ; 194.56,116.18 C62.2 192.92,116.57 ; 11.09,49.74 C89.2 12.74,49.35 ; 81.75,74.1 C80.2 83.4,73.72 ; 67.52,176.84 C4.2 65.87,177.23 ; 44.5,61.48 C91.2 42.86,61.87 ; 5.73,139.39 4.78,139.39 ; 177.04,74.1 C86.2 178.68,73.72 ; 123.1,143.47 C32.2 121.45,143.86 ; 65.87,104.43 C54.2 67.52,104.05 ; 5.19,102.56 C63.2 4.8,100.91 ; 13.13,160.18 C14.2 12.74,158.54 ; 161.96,125.56 C48.2 163.61,125.17 ; 195.37,64.52 C100.2 193.73,64.9 ; 192.92,152.96 C37.2 194.56,152.57 ; 65.87,140.83 C29.2 67.52,140.44 ; 42.86,25.47 C116.2 44.5,25.09 ; 67.52,67.65 C79.2 65.87,68.04 ; 81.75,146.9 C30.2 83.4,146.51 ; 161.16,104.43 C60.2 162.8,104.05 ; 123.91,128.21 C46.2 122.26,128.6 ; 192.92,189.36 C12.2 194.56,188.97 ; 177.84,22.44 C124.2 179.49,22.05 ; 108.03,158.54 C20.2 106.38,158.93 ; 138.14,171.06 C22.2 139.79,170.67 ; 97.63,116.57 C56.2 99.28,116.18 ; 12.74,85.75 C64.2 11.09,86.13 ; 59.58,192 C3.2 57.93,192.39 ; D900.2 v1(45.87,185.91) ; 122.26,19.41 C121.2 123.91,19.02 ; 179.49,167.64 C24.2 177.84,168.02 ; 192.92,80.17 C87.2 194.56,79.78 ; 42.86,98.27 C66.2 44.5,97.88 ; 177.04,183.29 C11.2 178.68,182.9 ; 98.44,28.51 C119.2 100.09,28.12 ; 82.56,58.84 C93.2 84.21,58.45 ; 108.03,85.75 C70.2 106.38,86.13 ; 5.19,29.77 C113.2 4.8,28.12
  vias: v1(5.21,102.57) v1(5.21,66.17) v1(5.21,29.78) v1(5.76,139.39) v1(11.08,122.56) v1(11.08,86.16) v1(11.08,49.76) v1(11.08,13.37) v1(13.15,160.19) v1(26.97,165.02) v1(26.97,128.62) v1(26.97,92.23) v1(26.97,55.83) v1(26.97,19.43) v1(27.82,143.45) v1(27.82,107.05) v1(27.82,70.66) v1(27.82,34.26) v1(42.85,171.08) v1(42.85,134.69) v1(42.85,98.29) v1(42.85,61.9) v1(42.85,25.5) v1(43.71,149.52) v1(43.71,113.12) v1(43.71,76.72) v1(43.71,40.33) v1(59.59,191.98) v1(59.59,155.58) v1(59.59,119.19) v1(59.59,82.79) v1(59.59,46.39) v1(66.67,161.98) v1(66.67,125.59) v1(66.67,89.19) v1(66.67,52.8) v1(66.67,16.4) v1(67.53,176.81) v1(67.53,140.42) v1(67.53,104.02) v1(67.53,67.62) v1(67.53,31.23) v1(82.55,168.05) v1(82.55,131.65) v1(82.55,95.26) v1(82.55,58.86) v1(82.55,22.47) v1(83.41,182.88) v1(83.41,146.48) v1(83.41,110.09) v1(83.41,73.69) v1(83.41,37.29) v1(98.43,174.12) v1(98.43,137.72) v1(98.43,101.32) v1(98.43,64.93) v1(98.43,28.53) v1(99.29,188.94) v1(99.29,152.55) v1(99.29,116.15) v1(99.29,79.76) v1(99.29,43.36) v1(106.37,158.95) v1(106.37,122.56) v1(106.37,86.16) v1(106.37,49.76) v1(106.37,13.37) v1(122.25,165.02) v1(122.25,128.62) v1(122.25,92.23) v1(122.25,55.83) v1(122.25,19.43) v1(123.11,179.85) v1(123.11,143.45) v1(123.11,107.05) v1(123.11,70.66) v1(123.11,34.26) v1(138.13,171.08) v1(138.13,134.69) v1(138.13,98.29) v1(138.13,61.9) v1(138.13,25.5) v1(138.99,185.91) v1(138.99,149.52) v1(138.99,113.12) v1(138.99,76.72) v1(138.99,40.33) v1(154.87,191.98) v1(154.87,155.58) v1(154.87,119.19) v1(154.87,82.79) v1(154.87,46.39) v1(161.95,161.98) v1(161.95,125.59) v1(161.95,89.19) v1(161.95,52.8) v1(161.95,16.4) v1(162.81,176.81) v1(162.81,140.42) v1(162.81,104.02) v1(162.81,67.62) v1(162.81,31.23) v1(177.83,168.05) v1(177.83,131.65) v1(177.83,95.26) v1(177.83,58.86) v1(177.83,22.47) v1(178.69,182.88) v1(178.69,146.48) v1(178.69,110.09) v1(178.69,73.69) v1(178.69,37.29) v1(193.72,174.12) v1(193.72,137.72) v1(193.72,101.32) v1(193.72,64.93) v1(193.72,28.53) v1(194.57,188.94) v1(194.57,152.55) v1(194.57,116.15) v1(194.57,79.76) v1(194.57,43.36)
